# Altium PCB COOP4403_V2.PcbDoc (continued)
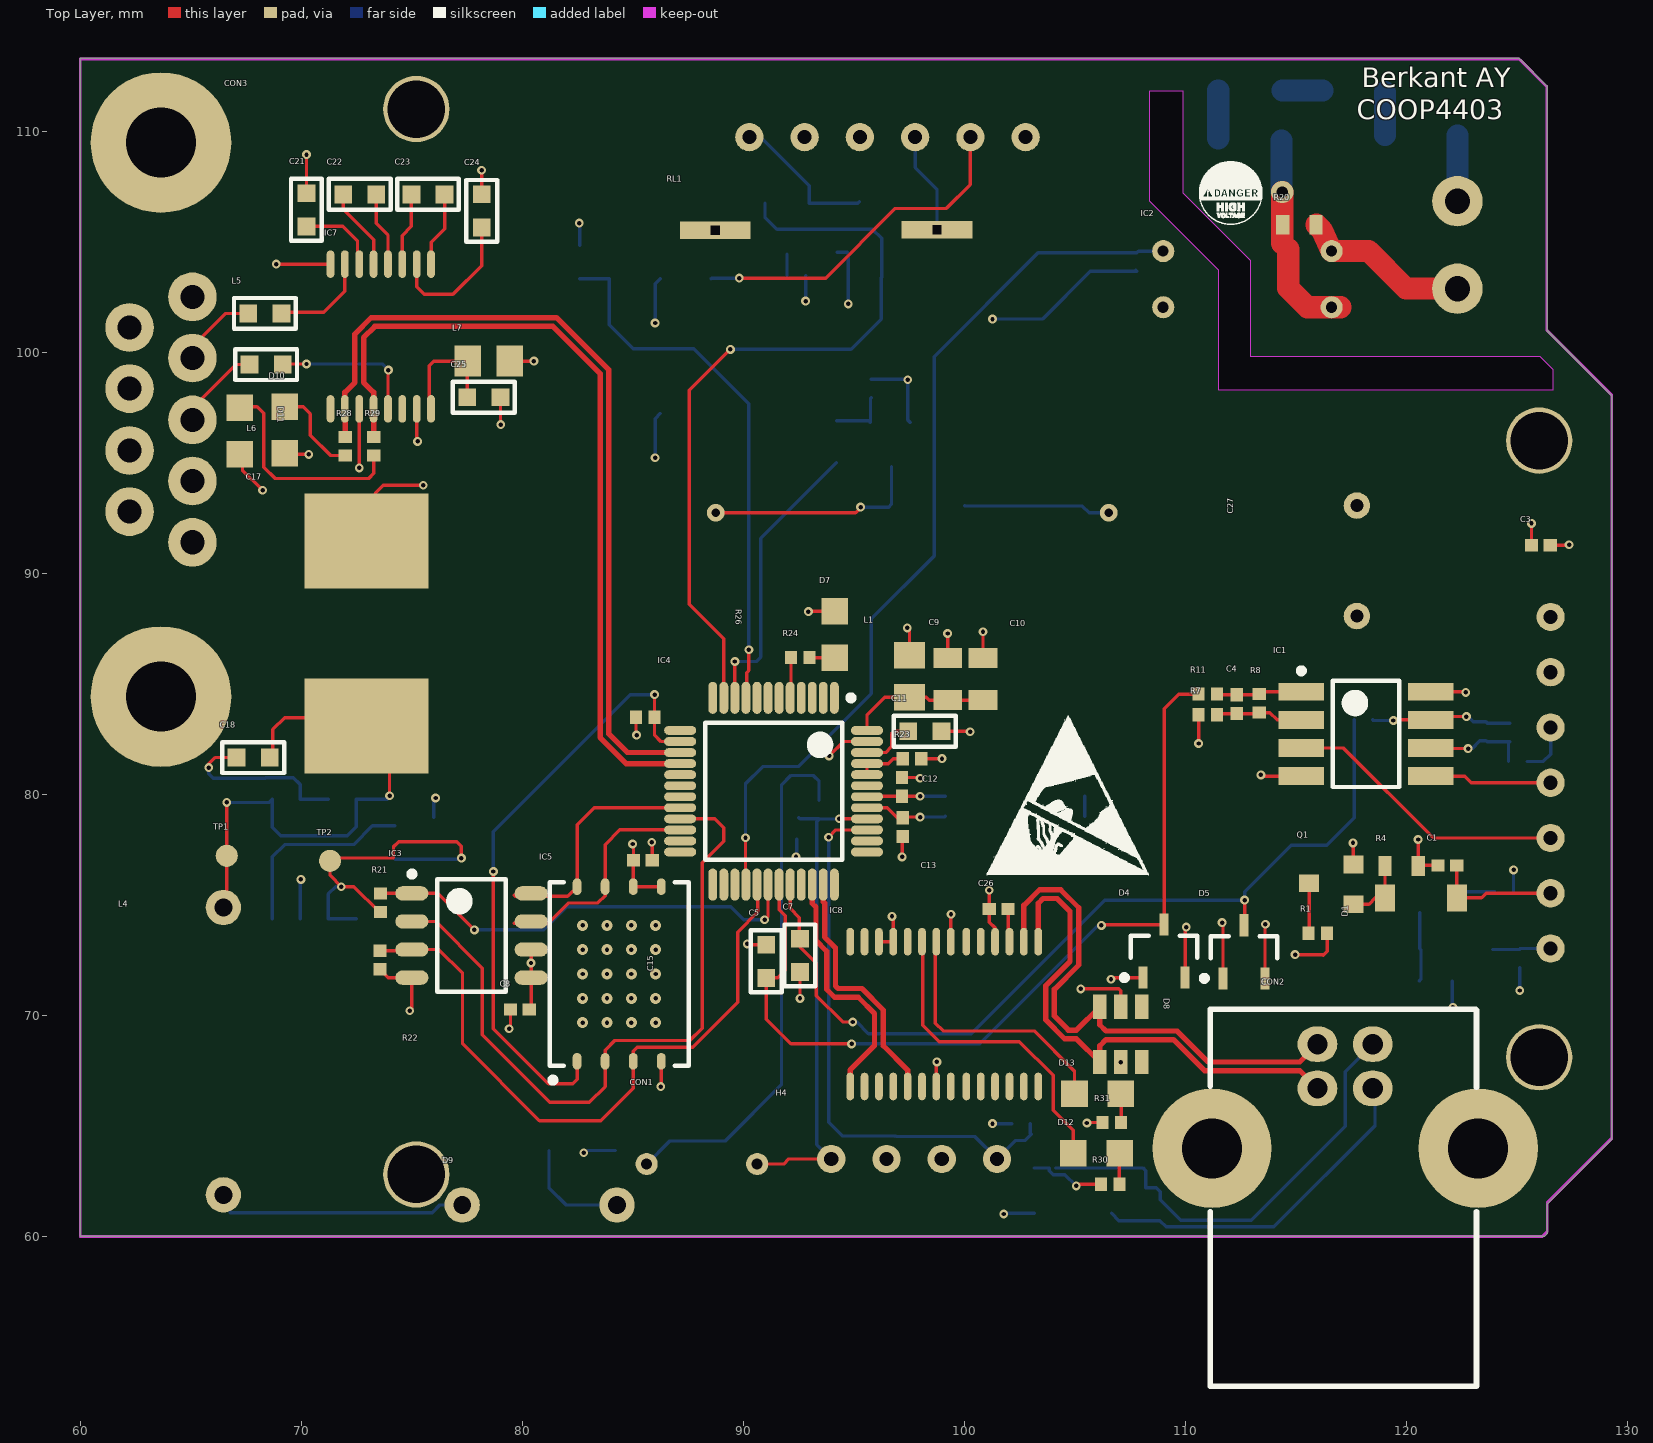
[diagram p0: Top Layer view]
## Footprints (in the part's own frame and the unit in brackets; to place one, negate y for a bottom-side part, rotate by r counter-clockwise, add the part's x,y. Pads: shape width x height; smd on the part's side, far side on the other; paste and mask are expansions set on the pad)
1N4007 [mm]
  round 1.6 hole 0.8: 1(0,0) 2(7,0)
  body extent -0.42,-1.31 7.38,1.31, height 3.31
"4DIP_OPTO - duplicate" [mm]
  round 1 hole 0.5: 1(0,0) 2(0,-2.54) 3(7.62,-2.54) 4(7.62,0)
  body extent -0.1,-3.57 7.78,1.03, height 4.3
0805LED_GREEN [mm]
  rect 1.2x1.2 smd: 1(0,0) 2(2.1,0)
  body extent 0.03,-0.6 2.05,0.65, height 1.1
"1110 Coil" [mm]
  round 1.6 hole 0.813: 1(0,0) 2(13,0)
  body extent -0.12,-6.7 12.88,6.3, height 7
ALUM-CAP [mm] "CAP ALUM 100uF 20% 35 Radial"
  round 1.2 hole 0.6: 1(0,0) 2(5,0)
  body extent -2.56,-5.03 7.49,5.03, height 13.03
BC846ALT [mm]
  rect 0.8x0.9 smd: 1(0,0) 2(1.8,0) 3(0.95,2)
  body extent -0.56,-0.18 2.44,2.32, height 1.05
C0402 [mm] "CL05B273K05NNNC 16V X7R"
  rect 0.6x0.55 smd: 1(-0.425,0) 2(0.425,0)
  body extent -0.53,-0.27 0.53,0.28, height 0.65
C0603 [mm]
  rect 0.8x0.8 smd: 1(-0.75,0) 2(0.75,0)
  silkscreen extent -1.4,-0.7 1.4,0.7, body extent -0.8,-0.42 0.8,0.44, height 0.95
C0805 [mm]
  rect 0.9x1.3 smd: 1(-0.95,0) 2(0.95,0)
  body extent -1,-0.6 1,0.6, height 1.5
CAP_SMT [mm]
  rect 4.3x5.6 smd: 1(-4.242,0.076) 2(4.14,0.076)
  body extent -5.45,-4.81 5.45,5.49, height 13.5
"CON HEADER 2PIN" [mm]
  round 2.28 hole 1.14: 1(0,0) 2(3.96,0)
  body extent -1.9,-3.87 5.96,4.63, height 2.7
"CON HEADER 4PIN" [mm]
  round 1.28 hole 0.64: 1(0,0) 2(2.5,0) 3(5,0) 4(7.5,0)
  body extent -2.39,-2.32 10.01,3.43, height 7
"CON HEADER 6PIN" [mm]
  round 1.28 hole 0.64: 1(0,0) 2(2.5,0) 3(5,0) 4(7.5,0) 5(10,0) 6(12.5,0)
  body extent -2.41,-3.51 14.99,2.24, height 3.4
"CON HEADER 7PIN" [mm]
  round 1.28 hole 0.64: 1(0,0) 2(2.5,0) 3(5,0) 4(7.5,0) 5(10,0) 6(12.5,0) 7(15,0)
  body extent -2.45,-3.4 17.45,2.35, height 2.4
CON_670688000 [mm] "CONN USB RT ANG RECPT TYPE B BLK"
  oval 1.8x1.6 hole 0.92: 1(7.27,4.71) 2(4.77,4.71) 3(4.77,2.71) 4(7.27,2.71)
  round 5.4 hole 2.71: 5(0,0) 6(12.04,0)
  silkscreen extent -0.08,-10.77 11.96,6.3, body extent -1.52,-10.49 13.38,6.01, height 10.7
DSUB [mm]
  round 2.2 hole 1.09: 1(-9.719,2.84) 2(-6.949,2.84) 3(-4.155,2.84) 4(-1.385,2.84) 5(1.385,2.84) 6(-8.334,0) 7(-5.564,0) 8(-2.77,0) 9(0,0)
  round 6.36 hole 3.18: 7(-16.699,1.42) 8(8.365,1.42)
  body extent -19.38,-14.35 11.51,3.99, height 12.55
FDN [mm]
  rect 0.76x0.76 smd: 1(0,0) 2(2,0) 3(1,2.29)
  body extent -0.51,-0.08 2.49,2.42, height 1.05
L0805 [mm]
  rect 1.2x1.4 smd: 1(0,0) 2(1.9,0)
L1608 [mm]
  rect 1.5x1.6 smd: 1(0,0) 2(3.5,0)
OZCJ [mm]
  rect 1x1.9 smd: 1(0,0) 2(3,0)
  body extent -0.05,-0.75 3.15,0.85, height 1
PUSHBUTTON [mm]
  round 1 hole 0.5: 1(0,0) 2(5,0)
  body extent -0.46,-3 5.54,3.2, height 4.3
QFN127P800X600X85_HS-9N [mm] "QFN, 8-Leads, Body 8.00x6.00mm, Pitch 1.27mm, Thermal Pad 5.20x4.80mm, IPC Medium Density"
  oval 0.75x0.4 smd: 1(-3.95,1.905) 2(-3.95,0.635) 3(-3.95,-0.635) 4(-3.95,-1.905) 5(3.95,-1.905) 6(3.95,-0.635) 7(3.95,0.635) 8(3.95,1.905)
  rect 5.2x4.8 on Plane1: 9(0,0)
  silkscreen extent -4.92,-3.15 4.15,3.15, body extent -4,-3 4,3, height 0.85
r0402 [mm]
  rect 0.55x0.6 smd: 1(0,0) 2(0.838,0)
  body extent -0.17,-0.25 0.98,0.3, height 0.41
R603 [mm]
  rect 0.6x0.9 smd: 1(0,0) 2(1.5,0)
  body extent -0.09,-0.4 1.51,0.4, height 0.45
R0805 [mm]
  rect 0.7x1.3 smd: 1(0,0) 2(1.9,0)
  body extent -0.08,-0.62 1.92,0.63, height 0.42
R1206 [mm]
  rect 0.9x1.6 smd: 1(0,0) 2(2.9,0)
  body extent -0.2,-0.81 3,0.79, height 0.53
realndt [mm]
  rect 0.95x1.9 smd: 1(0,0) 2(2.3,0) 3(4.6,0)
  rect 3.25x1.9 smd: 2(2.3,6.1)
"RELAY OMRON" [mm]
  round 0.8 hole 0.4: 1(17.78,0) 2(0,0)
  rect 3.2x0.8 hole 0.4 square: 3(7.772,-12.802) 4(17.805,-12.776)
  body extent -2.01,-14.43 19.99,1.57, height 11
sm4007 [mm]
  rect 0.91x1.22 smd: 1(0,0) 2(3.25,0)
SOIC127P600X170-8N [mm] "SOIC, 8-Leads, Body 4.90x3.90mm, Pitch 1.27mm, IPC Medium Density"
  oval 1.5x0.95 smd: 1(-2.7,1.905) 2(-2.7,0.635) 3(-2.7,-0.635) 4(-2.7,-1.905) 5(2.7,-1.905) 6(2.7,-0.635) 7(2.7,0.635) 8(2.7,1.905)
  silkscreen extent -2.82,-2.45 1.55,3.06, body extent -1.95,-2.45 1.95,2.45, height 1.7
SOP127P700X380-8N [mm] "SOP, 8-Leads, Body 4.80x3.80mm, Pitch 1.27mm, IPC Medium Density"
  rect 2.05x0.8 smd: 1(-2.925,1.905) 2(-2.925,0.635) 3(-2.925,-0.635) 4(-2.925,-1.905) 5(2.925,-1.905) 6(2.925,-0.635) 7(2.925,0.635) 8(2.925,1.905)
  silkscreen extent -3.05,-2.4 1.5,2.98, body extent -1.9,-2.4 1.9,2.4, height 3.8
SOT23 [mm]
  rect 1.1x0.6 smd: 1(0,0.95) 2(0,0) 3(0,-0.95) 4(2.5,-0.95) 5(2.5,0) 6(2.5,0.95)
  body extent -0.02,-1.4 2.41,1.4, height 1.09
SOT95P245X110-3N [mm] "SOT23, 3-Leads, Body 2.90x2.45mm, Pitch 0.95mm, IPC Medium Density"
  rect 0.4x1 smd: 1(-0.95,-2.394) 2(0.95,-2.394) 3(0,0.006)
  silkscreen extent -1.92,-2.52 1.5,-0.49, body extent -1.5,-1.89 1.5,-0.49, height 1.1
SSOP16 [mm]
  oval 1.25x0.35 smd: 1(0,0) 2(0,-0.65) 3(0,-1.3) 4(0,-1.95) 5(0,-2.6) 6(0,-3.25) 7(0,-3.9) 8(0,-4.55) 9(6.55,-4.55) 10(6.55,-3.9) 11(6.55,-3.25) 12(6.55,-2.6) 13(6.55,-1.95) 14(6.55,-1.3) 15(6.55,-0.65) 16(6.55,0)
SSOP28 [mm]
  oval 1.25x0.35 smd: 1(65.938,3.937) 2(65.938,3.287) 3(65.938,2.637) 4(65.938,1.987) 5(65.938,1.337) 6(65.938,0.687) 7(65.938,0.037) 8(65.938,-0.613) 9(65.938,-1.321) 10(65.938,-1.971) 11(65.938,-2.621) 12(65.938,-3.271) 13(65.938,-3.921) 14(65.938,-4.571) 15(72.488,-4.571) 16(72.488,-3.921) 17(72.488,-3.271) 18(72.488,-2.621) 19(72.488,-1.971) 20(72.488,-1.321) 21(72.488,-0.613) 22(72.488,0.037) 23(72.488,0.687) 24(72.488,1.337) 25(72.488,1.987) 26(72.488,2.637) 27(72.488,3.287) 28(72.488,3.937)
  body extent 65.31,-5.47 73.07,4.86, height 2.16
TestPoint [mm]
  round 1 smd: 1(0,0)
TSOP127P600X155-8N [mm] "TSOP, 8-Leads, Body 5.05x3.90mm, Pitch 1.27mm, IPC Medium Density"
  oval 1.5x0.65 smd: 1(-2.7,1.905) 2(-2.7,0.635) 3(-2.7,-0.635) 4(-2.7,-1.905) 5(2.7,-1.905) 6(2.7,-0.635) 7(2.7,0.635) 8(2.7,1.905)
  silkscreen extent -2.82,-2.55 1.55,2.9, body extent -1.95,-2.55 1.95,2.55, height 1.55
TSQFP50P900X900X160-48N [mm] "TSQFP, 48-Leads, Body 7.00x7.00mm, Pitch 0.50mm, IPC Medium Density"
  oval 1.45x0.4 smd: 1(-4.225,2.75) 2(-4.225,2.25) 3(-4.225,1.75) 4(-4.225,1.25) 5(-4.225,0.75) 6(-4.225,0.25) 7(-4.225,-0.25) 8(-4.225,-0.75) 9(-4.225,-1.25) 10(-4.225,-1.75) 11(-4.225,-2.25) 12(-4.225,-2.75) 25(4.225,-2.75) 26(4.225,-2.25) 27(4.225,-1.75) 28(4.225,-1.25) 29(4.225,-0.75) 30(4.225,-0.25) 31(4.225,0.25) 32(4.225,0.75) 33(4.225,1.25) 34(4.225,1.75) 35(4.225,2.25) 36(4.225,2.75)
  oval 0.4x1.45 smd: 13(-2.75,-4.225) 14(-2.25,-4.225) 15(-1.75,-4.225) 16(-1.25,-4.225) 17(-0.75,-4.225) 18(-0.25,-4.225) 19(0.25,-4.225) 20(0.75,-4.225) 21(1.25,-4.225) 22(1.75,-4.225) 23(2.25,-4.225) 24(2.75,-4.225) 37(2.75,4.225) 38(2.25,4.225) 39(1.75,4.225) 40(1.25,4.225) 41(0.75,4.225) 42(0.25,4.225) 43(-0.25,4.225) 44(-0.75,4.225) 45(-1.25,4.225) 46(-1.75,4.225) 47(-2.25,4.225) 48(-2.75,4.225)
  silkscreen extent -4.35,-3.1 3.1,3.63, body extent -3.5,-3.5 3.5,3.5, height 1.6
XTAL [mm]
  rect 1.2x0.6 smd: 1(0,-0.9) 2(6.3,-0.9) 3(6.3,0) 4(0,0)

## Part data
C1 C2: "CAP CER 0.027 UF 16V X7R"
C3 C4 C6: "CAP CER 220PF 50V C0G/NP0 0402"
C5 C7 C16: "CL10B104KB8NNNC"
C8 C15 C26: "CAP CER 0.1uF 16V X7R 0402 / SAMSUNG"
C9 C10 C20: "CAP CER 10uF 6.3V X7R 0805 / C0805C106K9RACTU"
C11 C25: "CAP CER 1uF 10V X7R 0603"
C12 C13: "CAP CER 6pF 100V C0G/NP0 0402 / KEMET"
C14: "CAP CER 1000pF 26V X7R 0402 / CL05B102KA5NNNC"
C17: "CAP ALUM 1000pF 20% 16V / UCL1C102MNL1GS"
C18 C21 C22 C23 C24: "CAP CER 0.1uF 16V X7R 0603 / CL10B104K08NNNC"
C19: "CAP CER 10000pF 25V 10% X7R 0603 / CL10B103KA8NNNC"
C27: "CAP ALUM 100uF 20% 35V Radial"
CON1: "SKPDACD010"
CON2: library part 670688000, "CONN USB RT ANG RECPT TYPE B BLK"
CON3: "1734354 - DSUB"
D1 D2 D3 D6 D9: "ONSEMI 1N4007"
D7: "LSR976"
D8: "TVS DIODE 5V 17.5V DIODE SOT23-6"
D10 D11 D12 D13: "LGR971-KN OSRAM"
H1: "B6B-XHA"
H2: "B7B-XHA"
H3: "B2P-VHLFSN"
H4: "B4B-XHALFSN"
IC3: "IC FRAM 64K SPI 20MHZ 8SOP"
IC4: "IC MCU 16BIT 32KB FLASH 48LQFP"
IC5: "IC FLASH 128M SPI 54MHZ 9VDFPN"
IC7: "IC TXRX RS232 ESD TRUE 16SSOP"
IC8: "IC USB FS SERIAL UART 28-SSOP"
L1 L7: "FERRITE BEAD 39 OHM"
L2 L3: "FERRITE BEAD 68 OHM 1206"
L4: "FIXED IND 47UH 2.8A 62MOHM TH"
L5 L6: "FERRITE BEAD 120OHM 2A"
Q1 Q2 Q5: "BJT TRANSISTOR NPN 65V 100MA"
Q3: "MOSFET SINGLE PCH TRENCH"
Q4: "N CHANNEL LOGIC LEVEL ENGANCEMENT MODE FIELD EFFECT TRANSISTOR"
Q6: "N CHANNEL LOGIC LEVEL ENHANCEMENET MODE FIELD EFFECT TRANSISTOR"
R1 R2 R3 R7 R8 R10 R11 R12 R13 R15 R16 R21 R22 R23 R24 R25 R26 R27 R28 R29 R30 R31: library part R0402, "RESISTOR"
R4 R5 R6 R14 R20: library part R0603, "CRCW06034R70FNEA"
R17 R18 R19: library part R1206, "ERJ-8ENF10R0V"
RL1: "RELAY GEN PURPOSES SPST 10A 5V"
X1: "SSP-T7-F"

## Free pads (board coordinates)
  round 3 hole 2.6: 1(75.2,62.8) 1(75.2,111) 1(126,68.1) 1(126,96)

## Via types
v1: diameter 0.4, hole 0.2, Top Layer to Bottom Layer, 92 vias
v2: diameter 0.5, hole 0.2, Top Layer to Bottom Layer, 20 vias
v3: diameter 1, hole 0.5, Top Layer to Bottom Layer, 1 vias

## Nets (pads, with @x,y where several pads share a name; then routed paths per layer and width w, separated by ;. In a path a pad name is that pad's centre, name@x,y a point inside that pad or via, vN(x,y) a via of type N, cw(c..) or ccw(c..) an arc to the next point about the centre after c; other vN are vias at no path point)
+3.3V: C8.2 C15.1 C19.1 C20.2 D4.1 D5.1 D10.2 D11.2 H2.6 H4.3 IC3.5 IC3.6 IC5.5 IC5.6 IC6.1 IC6.2 L1.2 L7.2 R1.2 R2.2 R16.2 R21.2 R25.2 R26.2 R27.1 TP2.1 | length 49.6
  Top Layer w0.152: D11.2 67.259,95.377 67.335,95.301 67.335,94.666 v1(68.25,93.751) ; D10.2 69.299,95.377 v1(70.333,95.377) ; R21.2 73.524,74.676 72.381,75.819 v1(71.806,75.819) 71.298,76.327 TP2.1 71.425,77.114 74.168,77.114 74.168,77.623 74.397,77.851 77.038,77.851 77.241,77.648 v1(77.241,77.114) ; L7.2 v1(80.518,99.593) ; C8.2 80.399,70.34 IC3.5 IC3.6 ; v1(84.988,77.749) 85.027,77.71 C15.1 85.014,76.999 IC5.6 IC5.5 ; R26.2 85.141,82.702 v1(85.166,82.677) ; v1(97.409,87.528) 97.511,87.427 L1.2 ; v1(106.629,71.628) 106.705,71.704 D4.1 ; v1(111.658,74.193) 111.699,74.153 D5.1 ; v1(114.96,72.746) 116.205,72.746 116.23,72.72 116.408,72.898 R1.2
  POWER w0.152: v1(68.25,93.751) 69.672,93.751 70.688,94.767 70.688,95.072 70.686,95.074 70.636,95.074 v1(70.333,95.377)
  Bottom Layer w0.152: v1(71.806,75.819) 71.552,75.819 71.222,75.489 IC6.2 IC6.1 ; C19.1 74.241,77.053 C20.2 77.18,77.053 v1(77.241,77.114) ; v1(92.38,77.165) 92.405,77.191 R25.2 ; v1(101.27,65.1) R27.1 ; v1(101.27,101.498) 103.53,101.498 105.69,103.658 R16.2 R16.2@107.747,103.708 ; R2.2 v1(124.841,76.581)
  other v1: 80.391,72.365
+5V: C3.1 C27.1 D8.5 F1.2 H1.6 H2.7 IC1.8 L2.2 R3.2 R30.2 R31.2 RL1.4 | length 11.8
  Top Layer w0.152: v1(105.054,62.281) 105.131,62.357 R30.2 ; v1(105.258,71.196) 106.985,71.196 107.071,71.11 D8.5 ; v1(105.537,65.126) 105.562,65.151 R31.2 ; IC1.8 122.657,84.633 v1(122.682,84.607) ; C3.1 127.33,91.262 v1(127.356,91.288)
  Bottom Layer w0.152: v1(82.779,63.779) 82.88,63.881 F1.2 ; v1(92.812,102.311) R3.2 ; L2.2 103.828,63.094 103.828,62.967 104.007,62.789 104.546,62.789 v1(105.054,62.281)
CS_FLASH: IC4.14 IC5.1 R26.1 | length 27.6
  Top Layer w0.152: v1(78.689,76.505) 78.689,69.393 81.178,66.904 82.271,66.904 82.474,67.107 IC5.1 ; v1(85.979,84.506) R26.1 85.979,82.677 86.269,82.387 IC4.14
  Bottom Layer w0.152: v1(78.689,76.505) 78.689,78.308 84.887,84.506 v1(85.979,84.506)
CS_FRAM: IC3.1 IC4.30 R21.1 | length 20.4
  Top Layer w0.152: R21.1 IC3.1 76.175,75.514 v1(77.826,73.863) ; v1(90.957,74.32) 91.114,74.477 IC4.30
  Bottom Layer w0.152: v1(77.826,73.863) 80.975,73.863 82.017,74.905 89.433,74.905 90.018,74.32 v1(90.957,74.32)
GND: C1.1 C2.1 C3.2 C5.1 C7.1 C8.1 C9.2 C10.2 C11.2 C12.1 C13.1 C15.2 C17.2 C18.1 C20.1 C21.1 C24.2 C25.1 C26.1 C27.2 CON2.5 CON2.6 CON3.5 CON3.7@63.65,109.484 CON3.8@63.65,84.42 D4.2 D5.2 D7.1 D8.2 H1.2 H1.3 H2.5 H4.2 IC1.4 IC2.2 IC3.4 IC4.47 IC5.4 IC6.3 IC6.6 IC6.7 IC7.8 IC7.11 IC7.15 IC8.7 IC8.18 IC8.21 IC8.25 IC8.26 L3.2 pad.1@75.2,62.8 pad.1@126,68.1 pad.1@126,96 Q1.2 Q2.2 Q4.2 Q5.2 Q6.2 R4.1 R5.1 R6.1 R7.2 R10.1 R13.1 R14.2 R22.1 R23.2 | length 81.7
  Top Layer w0.152: v1(65.811,81.204) 65.811,81.382 66.091,81.661 C18.1 ; v1(68.863,103.984) IC7.8 ; C21.1 v1(70.231,108.941) ; v1(72.619,94.767) IC7.11 ; C17.2 72.949,93.218 73.711,93.98 v1(75.514,93.98) ; R22.1 73.939,71.704 IC3.4 74.999,70.3 v1(74.905,70.206) v1@74.879,70.18 ; IC7.15 75.219,96.003 v1(75.26,95.961) ; C24.2 v1(78.156,108.229) ; C25.1 79.007,96.735 v1(79.019,96.723) ; v1(79.4,69.393) 79.465,69.457 C8.1 ; v1(85.852,77.826) 85.877,77.8 C15.2 ; v1(86.258,66.777) 86.284,66.802 IC5.4 ; v1(90.17,73.228) 90.207,73.191 C5.1 ; v1(92.558,70.764) C7.1 ; v1(92.939,88.265) 92.956,88.282 D7.1 ; v1(93.878,81.737) 94.528,82.387 IC4.47 ; IC8.26 IC8.25 96.779,74.417 v1(96.723,74.473) ; v1(97.18,77.165) 97.18,78.061 C13.1 ; C12.1 97.956,80.758 v1(97.993,80.721) ; R23.2 v1(98.984,81.61) ; IC8.7 98.729,67.868 v1(98.755,67.894) ; C11.2 100.228,82.855 v1(100.254,82.829) ; C9.2 v1(99.238,87.274) ; IC8.21 99.379,74.563 v1(99.39,74.574) ; C10.2 v1(100.838,87.351) ; v1(101.124,75.66) C26.1 101.124,74.212 101.386,73.95 IC8.18 IC8.18@101.422,73.294 ; D4.2 109.982,73.939 v1(110.033,73.99) ; v1(110.592,82.296) R7.2 ; v1(113.411,80.874) 113.462,80.823 IC1.4 ; D5.2 113.599,74.102 v1(113.614,74.117) ; v1(117.577,77.8) 117.595,77.781 Q1.2 ; v1(120.523,77.953) 120.524,77.951 R4.1 120.55,76.784 C1.1 ; C3.2 v1(125.654,92.253)
  Bottom Layer w0.152: v1(65.811,81.204) 65.811,80.924 66.015,80.721 68.362,80.721 68.39,80.75 69.644,80.75 69.952,80.442 IC6.6 IC6.7 ; IC6.3 69.952,76.124 v1(69.977,76.149) ; C20.1 75.997,79.756 v1(76.073,79.832) ; v1(82.575,105.842) 82.601,105.816 R14.2 ; v1(86.004,95.225) 86.004,96.999 Q6.2@86.233,97.227 ; v1(86.004,101.321) 86.004,103.099 Q6.2@86.233,103.327 ; Q4.2 94.695,104.517 94.741,104.472 R6.1 94.741,102.186 v1(94.742,102.184) ; R10.1 97.409,98.78 v1(97.434,98.755) 97.434,96.932 Q5.2 ; v1(101.778,61.011) 101.803,61.036 L3.2 ; v1(120.523,77.953) 120.523,76.523 Q2.2 ; R5.1 122.072,70.383 v1(122.098,70.358) ; v1(125.12,71.12) C2.1 ; R13.1 126.187,81.483 126.517,81.813 H2.5
  other v1: 107.071,67.883
NetC1_2: C1.2 D1.1 H2.2 | length 5.8
  Top Layer w0.152: C1.2 D1.1 D1.1 123.393,75.311 123.604,75.522 H2.2
NetC2_2: C2.2 D2.1 H2.1 | length 2.7
  Top Layer w0.152: H2.1 H2.1@126.622,73.022
  Bottom Layer w0.152: D2.1 125.102,72.974 C2.2 125.149,73.022 H2.1
NetC4_1: C4.1 IC1.1 R8.1 R11.2 | length 3.9
  Top Layer w0.152: R11.2 111.462,84.499 C4.1 113.303,84.499 R8.1 113.436,84.633 IC1.1
NetC4_2: C4.2 IC1.2 R7.1 R8.2 | length 4
  Top Layer w0.152: R7.1 111.487,83.649 C4.2 113.291,83.649 R8.2 113.817,83.693 114.148,83.363 IC1.2
NetC5_2: C5.2 D4.3 IC4.31 R11.1 | length 39.2
  Top Layer w0.152: IC4.31 91.614,74.782 91.897,74.498 91.897,72.034 91.554,71.691 C5.2 91.034,69.825 92.151,68.707 v1(94.894,68.707) ; v1(106.197,74.066) 106.235,74.104 D4.3 109.032,83.861 109.703,84.531 R11.1
  Bottom Layer w0.152: v1(94.894,68.707) 100.686,68.707 106.045,74.066 v1(106.197,74.066)
NetC6_1: C6.1 IC1.6 R12.2 R13.2 | length 4.7
  Top Layer w0.152: IC1.6 121.115,82.067 v1(122.784,82.067)
  Bottom Layer w0.152: v1(122.784,82.067) 122.961,82.067 123.317,82.423 C6.1 123.647,82.372 R12.2 124.612,82.321 R13.2
NetC6_2: C6.2 IC1.7 R12.1 R15.2 | length 6.4
  Top Layer w0.152: v1(119.405,83.337) 119.431,83.363 IC1.7 121.242,83.515 v1(122.707,83.515)
  Bottom Layer w0.152: R15.2 118.491,83.337 v1(119.405,83.337) ; v1(122.707,83.515) 122.784,83.515 123.026,83.273 C6.2 123.659,83.21 R12.1
NetC7_2: C7.2 D5.3 IC4.32 R15.1 | length 40.4
  Top Layer w0.152: IC4.32 92.114,74.84 92.532,74.422 92.532,73.127 93.294,72.365 93.294,70.891 94.488,69.698 v1(94.945,69.698) ; D5.3 112.674,74.098 v1(112.674,75.209)
  Bottom Layer w0.152: v1(94.945,69.698) 95.123,69.698 95.656,69.164 100.305,69.164 106.35,75.209 v1(112.674,75.209) 112.674,75.59 114.783,77.699 116.383,77.699 117.628,78.943 R15.1
NetC9_1: C9.1 C10.1 IC4.48 L1.1 | length 6.3
  Top Layer w0.152: IC4.48 95.589,83.575 96.398,84.384 L1.1 98.268,84.384 98.4,84.252 99.233,84.252 C9.1 C10.1
NetC11_1: C11.1 IC4.46 | length 2.6
  Top Layer w0.152: IC4.46 96.441,81.887 96.698,82.144 96.698,82.728 96.825,82.855 C11.1
NetC12_2: C12.2 IC4.42 X1.1 | length 3.6
  Top Layer w0.152: IC4.42 95.61,79.908 C12.2 v1(97.993,79.908)
  Bottom Layer w0.152: v1(97.993,79.908) X1.1@99.136,79.908
NetC13_2: C13.2 IC4.41 X1.4 | length 3.8
  Top Layer w0.152: IC4.41 96.508,79.387 96.959,78.936 C13.2 97.238,78.969 v1(97.993,78.969)
  Bottom Layer w0.152: v1(97.993,78.969) 99.096,78.969 X1.4@99.136,79.008
NetC14_2: C14.2 CON1.2 | length 24
  Bottom Layer w0.152: CON1.2 86.665,64.313 89.179,64.313 91.719,66.853 91.719,80.416 92.151,80.848 93.167,80.848 93.421,80.594 C14.2
NetC16_1: C16.1 CON2.4 L3.1 | length 15
  Bottom Layer w0.152: L3.1 106.986,60.705 C16.1 108.84,60.705 109.118,60.427 113.995,60.427 118.572,65.004 CON2.4@118.572,65.905
NetC16_2: C16.2 CON2.1 L2.1 | length 20.7
  Bottom Layer w0.152: 104.133,63.094 L2.1 108.077,63.094 108.204,62.967 C16.2 108.687,62.205 108.864,62.027 108.864,61.646 109.779,60.731 112.979,60.731 117.221,64.973 117.221,67.443 CON2.1
NetC17_1: C17.1 C18.2 IC6.5 IC6.8 L4.2 TP1.1 | length 24.7
  Top Layer w0.152: L4.2 66.624,75.032 TP1.1 v1(66.624,79.629) v1@66.624,79.654 ; C18.2 68.707,81.8 68.707,82.931 69.24,83.464 72.568,83.464 C17.1 73.99,82.042 v1(73.99,79.934)
  Bottom Layer w0.152: v1(66.624,79.629) 68.539,79.629 IC6.5 68.682,78.511 69.063,78.13 72.085,78.13 72.492,78.537 IC6.8 73.878,79.771 v1@74.041,79.934
NetC19_2: C19.2 IC6.4 | length 8.9
  Bottom Layer w0.152: IC6.4 68.682,77.165 69.24,77.724 72.365,77.724 73.216,78.576 C19.2
NetC21_2: C21.2 IC7.6 | length 3.7
  Top Layer w0.152: C21.2 71.882,105.689 72.542,105.029 72.542,104.061 IC7.6
NetC22_1: C22.1 IC7.4 | length 3.4
  Top Layer w0.152: C22.1 73.394,105.828 73.919,105.304 IC7.4
NetC22_2: C22.2 IC7.5 | length 3.7
  Top Layer w0.152: C22.2 71.894,106.465 73.269,105.09 IC7.5
NetC23_1: C23.1 IC7.1 | length 3.4
  Top Layer w0.152: IC7.1 75.869,104.977 76.479,105.588 C23.1
NetC23_2: C23.2 IC7.3 | length 3.3
  Top Layer w0.152: IC7.3 74.569,105.277 74.979,105.688 C23.2
NetC24_1: C24.1 IC7.2 | length 6.4
  Top Layer w0.152: IC7.2 75.219,102.962 75.565,102.616 76.86,102.616 78.156,103.911 C24.1
NetC25_2: C25.2 IC7.16 L7.1 | length 5.5
  Top Layer w0.152: IC7.16@75.921,97.486 IC7.16 75.794,97.509 75.794,99.39 75.997,99.593 L7.1 77.507,99.575 C25.2
NetC26_2: C26.2 IC8.17 | length 1.5
  Top Layer w0.152: C26.2 101.974,73.392 IC8.17
NetCON3_2: CON3.2 L5.1 | length 3.1
  Top Layer w0.152: CON3.2@65.126,100.306 66.572,101.752 L5.1
NetCON3_3: CON3.3 L6.1 | length 4.1
  Top Layer w0.152: 65.632,98.019 65.126,97.512 65.126,97.536 67.031,99.441 L6.1
NetD1_2: D1.2 Q1.1 R4.2 | length 3
  Top Layer w0.152: Q1.1 118.303,75.021 118.593,75.311 D1.2 R4.2
NetD2_2: D2.2 Q2.1 R5.2 | length 3.1
  Bottom Layer w0.152: R5.2 120.651,71.631 D2.2 120.606,73.02 Q2.1
NetD3_1: D3.1 Q5.3 RL1.1 | length 9.8
  Top Layer w0.152: RL1.1 95.072,92.735 v1@95.326,92.989
  Bottom Layer w0.152: v1(95.301,92.989) 96.57,92.989 96.698,93.118 Q5.3
NetD3_2: D3.2 RL1.2 | length 6.7
  Bottom Layer w0.152: D3.2 100.025,93.04 105.334,93.04 105.639,92.735 RL1.2
NetD6_1: D6.1 H3.1 | length 3
  Bottom Layer w0.152: D6.1 D6.1@122.301,109.804
  Bottom Layer w1: H3.1 D6.1@122.301,109.804
NetD6_2: D6.2 R19.2 | length 2
  Bottom Layer w0.152: R19.2@119.026,111.761 R19.2
  Bottom Layer w1: D6.2 R19.2@119.026,111.761
NetD7_2: D7.2 R24.1 | length 1.1
  Top Layer w0.152: R24.1 D7.2
NetD9_1: D9.1 F1.1 | length 5.1
  Bottom Layer w0.152: F1.1 81.201,62.202 81.986,61.417 D9.1 D9.1@84.303,61.443
NetD9_2: D9.2 L4.1 | length 11.6
  Bottom Layer w0.152: L4.1 66.786,61.565 66.786,61.071 75.916,61.071 76.262,61.417 D9.2
NetD10_1: D10.1 R28.1 | length 4.2
  Top Layer w0.152: D10.1 70.079,97.536 70.409,97.206 70.409,96.241 71.323,95.326 R28.1
NetD11_1: D11.1 R29.1 | length 9.4
  Top Layer w0.152: D11.1@67.539,97.536 67.996,97.536 68.301,97.231 68.301,94.793 68.809,94.285 73.05,94.285 73.279,94.513 R29.1
NetD12_2: D12.2 R30.1 | length 1.4
  Top Layer w0.152: R30.1 107.01,63.737 D12.2
NetD13_2: D13.2 R31.1 | length 1.3
  Top Layer w0.152: D13.2 107.086,66.438 R31.1
NetH1_1: H1.1 Q3.2 Q4.3 | length 6.7
  Bottom Layer w0.152: H1.1 90.78,109.728 92.973,107.534 Q3.2 95.178,106.735 Q4.3
NetH1_4: H1.4 RL1.3 | length 4.6
  Bottom Layer w0.152: H1.4 97.768,108.353 98.755,107.366 RL1.3
NetH1_5: H1.5 Q6.3 | length 15.6
  Top Layer w0.152: v1(89.814,103.353) 93.726,103.353 96.876,106.502 99.187,106.502 100.268,107.584 H1.5
  Bottom Layer w0.152: Q6.3 88.558,103.353 v1(89.814,103.353)
NetH2_3: H2.3 IC1.3 | length 13
  Top Layer w0.152: IC1.3 117.145,82.093 121.216,78.022 H2.3
NetH2_4: H2.4 IC1.5 | length 5.6
  Top Layer w0.152: IC1.5 122.631,80.823 122.932,80.522 H2.4
NetH3_2: H3.2 IC2.4 R20.1 | length 7.8
  Top Layer w1: R20.1@115.926,105.766 116.18,105.512 IC2.4 118.288,104.572 119.987,102.872 H3.2
NetIC2_1: IC2.1 IC4.28 R16.1 | length 41.1
  Top Layer w0.152: v1(90.094,78.029) 90.094,75.932 IC4.28
  Bottom Layer w0.152: v1(90.094,78.029) 90.094,80.467 90.881,81.255 92.481,81.255 95.783,84.557 95.783,87.935 98.628,90.78 98.628,99.797 103.327,104.496 R16.1 107.874,104.572 IC2.1 IC2.1@109.398,104.572
NetIC2_3: IC2.3 R17.1 R20.2 | length 9.5
  Top Layer w1: v3(114.376,107.239) 114.376,104.927 114.646,104.657 114.646,102.905 115.519,102.032 IC2.3 IC2.3@117.018,102.032
  Bottom Layer w0.152: v3@114.351,107.264 v3(114.376,107.239)
  Bottom Layer w1: v3@114.351,107.264 R17.1
NetIC4_5: IC4.5 R24.2 | length 1.8
  Top Layer w0.152: IC4.5 92.151,84.399 R24.2
NetIC4_9: IC4.9 Q6.1 R14.1 | length 24.6
  Top Layer w0.152: IC4.9 90.145,84.393 90.145,85.496 90.246,85.598 v1(90.246,86.538)
  Bottom Layer w0.152: R14.1 83.932,103.326 Q6.1 83.933,101.233 85.014,100.152 87.757,100.152 90.246,97.663 v1(90.246,86.538)
NetIC4_10: IC4.10 R9.1 | length 13.1
  Top Layer w0.152: v1(89.611,86.004) 89.611,84.365 IC4.10
  Bottom Layer w0.152: v1(89.611,86.004) 90.576,86.004 90.78,86.208 90.78,91.572 R9.1
NetIC4_11: IC4.11 Q3.1 Q4.1 R6.2 | length 34.5
  Top Layer w0.152: IC4.11 89.114,87.035 87.554,88.595 87.554,98.273 v1(89.408,100.127)
  Bottom Layer w0.152: v1(89.408,100.127) 94.869,100.127 96.241,101.498 R6.2 96.25,103.387 Q4.1 96.25,105.147 95.834,105.562 91.516,105.562 90.973,106.105 Q3.1
NetIC4_37: IC4.37
NetIC4_38: IC4.38
NetIC4_44: IC4.44 IC4.45 R23.1 | length 2.2
  Top Layer w0.152: IC4.44 IC4.45 96.551,81.387 96.774,81.61 R23.1
NetIC7_7: IC7.7 L5.2 | length 4.5
  Top Layer w0.152: L5.2 69.152,101.803 71.018,101.803 71.969,102.753 IC7.7
NetIC7_13: IC7.13 L6.2 | length 6.8
  Top Layer w0.152: L6.2 69.178,99.466 v1(70.231,99.466) ; IC7.13@73.838,97.515 IC7.13 73.919,99.166 v1(73.939,99.187)
  Bottom Layer w0.152: v1(70.231,99.466) 73.66,99.466 v1(73.939,99.187)
NetQ1_3: Q1.3 R1.1 | length 2.3
  Top Layer w0.152: R1.1 115.595,73.736 Q1.3
NetQ2_3: Q2.3 R2.1 | length 1.4
  Bottom Layer w0.152: Q2.3 R2.1
NetQ3_3: Q3.3 R3.1 | length 1
  Bottom Layer w0.152: R3.1 Q3.3
NetQ5_1: Q5.1 R9.2 R10.2 | length 2.7
  Bottom Layer w0.152: R9.2 95.665,96.901 Q5.1 95.748,97.907 R10.2
NetR17_2: R17.2 R18.1 | length 2.3
  Bottom Layer w0.152: R17.2@111.481,109.677 R17.2@111.582,109.576
  Bottom Layer w1: R17.2@111.481,109.677 R18.1
NetR18_2: R18.2 R19.1 | length 1.8
  Bottom Layer w1: R18.2 R19.1
NetX1_2: X1.2 X1.3 | length 0.9
  Bottom Layer w0.152: X1.3@105.436,79.008 X1.2@105.436,79.908
RESET: C14.1 CON1.1 H4.4 IC4.40 R25.1 | length 22.3
  Top Layer w0.152: CON1.1 91.821,63.271 92.05,63.5 H4.4 ; v1(94.336,78.892) 95.583,78.892 IC4.40
  Bottom Layer w0.152: R25.1@92.507,78.943 92.558,78.892 C14.1@93.421,78.892 ; C14.1 C14.1@93.435,78.881 ; H4.4 93.32,64.153 93.32,78.765 C14.1@93.435,78.881 ; v1(94.336,78.892) 94.324,78.881 C14.1@93.435,78.881
RXD_A_N: IC4.15 IC7.10 R28.2 | length 37.7
  Top Layer w0.241: R28.2 71.984,97.419 IC7.10 71.969,98.18 72.422,98.633 72.422,100.823 73.16,101.562 81.545,101.562 83.909,99.198 83.909,82.728 84.75,81.887 IC4.15
RXD_A_P: IC4.16 IC7.12 R29.2 | length 37.1
  Top Layer w0.241: R29.2 73.279,97.424 IC7.12 73.269,98.18 72.815,98.633 72.815,100.66 73.323,101.168 81.382,101.168 83.515,99.035 83.515,82.565 84.693,81.387 IC4.16
RXLED: D13.1 IC8.22 | length 11.9
  Top Layer w0.152: IC8.22 98.679,73.28 98.679,69.647 99.035,69.291 103.149,69.291 104.978,67.462 D13.1
SCK: IC3.7 IC4.22 IC5.7 | length 10.6
  Top Layer w0.152: 79.629,74.168 81.178,74.168 82.093,75.082 83.414,75.082 83.744,75.413 IC5.7 83.744,77.724 84.407,78.387 IC4.22
SI: IC3.2 IC4.21 IC5.2 | length 32.3
  Top Layer w0.152: IC3.2 76.073,74.244 78.181,72.136 78.181,69.113 81.229,66.065 83.033,66.065 83.744,66.777 IC5.2 83.744,68.428 84.176,68.859 87.579,68.859 88.138,69.418 88.138,76.911 89.103,77.876 89.103,78.486 88.702,78.887 IC4.21
SO: IC3.8 IC4.20 IC5.8 | length 10.8
  Top Layer w0.152: 79.629,75.438 79.68,75.387 82.042,75.387 IC5.8 82.474,78.613 83.248,79.387 IC4.20
TOOL0: H4.1 IC4.39 R27.2 | length 25.6
  Top Layer w0.152: v1(93.853,78.054) 94.183,78.384 95.586,78.384 IC4.39
  Bottom Layer w0.152: v1(93.853,78.054) 93.853,65.151 94.463,64.541 96.876,64.541 96.901,64.516 100.457,64.516 H4.1 102.311,64.338 102.743,64.338 103.022,64.618 102.972,64.668 R27.2
TXLED: D12.1 IC8.23 | length 14.5
  Top Layer w0.152: IC8.23 98.12,73.288 98.12,69.545 98.857,68.809 102.489,68.809 104.013,67.285 104.013,65.71 104.927,64.795 D12.1
USB_A_N: CON2.2 D8.6 IC8.16 | length 24.6
  Top Layer w0.241: IC8.16 102.686,74.973 103.393,75.679 104.354,75.679 105.169,74.864 105.169,72.276 104.064,71.171 104.064,69.965 104.699,69.33 105.068,69.33 D8.6 106.121,69.571 106.401,69.291 109.622,69.291 111.023,67.889 115.168,67.889 CON2.2
USB_A_P: CON2.3 D8.1 IC8.15 | length 23.7
  Top Layer w0.241: IC8.15 103.336,75.066 103.556,75.286 104.191,75.286 104.775,74.701 104.775,72.439 103.67,71.334 103.67,69.802 104.536,68.937 105.068,68.937 D8.1 106.121,68.618 106.401,68.897 109.459,68.897 110.86,67.496 115.168,67.496 CON2.3
USB_B_N: IC4.34 IC8.1 | length 11.4
  Top Layer w0.241: IC4.34 93.114,75.066 93.281,74.899 93.281,73.379 93.77,72.89 93.77,71.166 94.122,70.815 95.195,70.815 95.932,70.079 95.932,68.629 94.829,67.525 IC8.1
USB_B_P: IC4.35 IC8.5 | length 11.3
  Top Layer w0.241: IC4.35 93.614,75.123 93.675,75.062 93.675,73.542 94.164,73.053 94.164,71.33 94.285,71.209 95.358,71.209 96.325,70.242 96.325,68.629 97.429,67.525 IC8.5
"WRITE PROJECT": IC3.3 IC4.29 IC5.3 R22.2 | length 30.2
  Top Layer w0.152: R22.2 74.948,72.923 IC3.3 76.225,72.974 77.292,71.907 77.292,68.707 80.772,65.227 83.541,65.227 85.014,66.7 IC5.3 85.014,68.377 85.192,68.555 87.705,68.555 89.738,70.587 89.738,73.762 90.653,74.676 90.653,75.873 IC4.29
pads on no net: CON3.1 CON3.4 CON3.6 CON3.7@62.23,98.349 CON3.8@62.23,95.555 CON3.9 D8.3 D8.4 IC4.1 IC4.2 IC4.3 IC4.4 IC4.6 IC4.7 IC4.8 IC4.12 IC4.13 IC4.17 IC4.18 IC4.19 IC4.23 IC4.24 IC4.25 IC4.26 IC4.27 IC4.33 IC4.36 IC4.43 IC5.9 IC7.9 IC7.14 IC8.2 IC8.3 IC8.4 IC8.6 IC8.8 IC8.9 IC8.10 IC8.11 IC8.12 IC8.13 IC8.14 IC8.19 IC8.20 IC8.24 IC8.27 IC8.28
copper on no net:
  other v2: 82.729,69.669 83.829,69.669 84.929,69.669 86.029,69.669 82.729,70.769 83.829,70.769 84.929,70.769 86.029,70.769 82.729,71.869 83.829,71.869 84.929,71.869 86.029,71.869 82.729,72.969 83.829,72.969 84.929,72.969 86.029,72.969 82.729,74.069 83.829,74.069 84.929,74.069 86.029,74.069

## Polygon pours and split planes (outlines as drawn)
+3.3V on POWER "+3.3V" (solid, remove dead copper, pour order 62): 115.875,73.203 115.9,73.177 115.9,72.441 115.849,72.441 114.503,71.095 107.391,71.095 106.223,69.926 106.223,67.081 104.115,64.973 101.879,64.973 102.184,65.278 102.184,66.218 101.803,66.599 101.803,73.228 115.824,73.228 115.875,73.177
+3.3V on POWER "+3.3V" (solid, remove dead copper, pour order 68): 125.349,75.641 126.721,77.013 127.889,77.013 128.676,77.8 128.676,84.099 125.374,84.099 124.823,84.651 123.495,83.323 123.495,75.667 123.52,75.641
+3.3V on POWER "+3.3V" (solid, remove dead copper, pour order 64): 112.7,73.254 112.7,74.295 111.887,75.108 110.719,75.108 110.033,74.422 110.033,73.228 112.649,73.228 112.674,73.254
+3.3V on POWER "+3V" (solid, remove dead copper, pour order 6): 107.813,112.42 107.813,104.877 107.899,104.877 108.331,104.445 108.128,104.242 108.128,96.799 111.125,93.802 127.381,93.802 128.702,92.481 128.702,83.922 128.676,83.947 125.095,83.947 124.511,84.531 124.511,86.69 124.562,86.69 124.866,86.995 124.892,86.97 127.838,86.97 127.838,91.338 127.432,91.745 111.227,91.745 106.909,96.063 106.909,112.42
NetH3_2 on POWER "HIGH_VOLTAGE" (solid, remove dead copper, pour order 2): 110.871,112.014 110.871,108.128 113.436,105.562 113.411,105.537 113.411,100.203 125.679,100.203 125.679,109.804 123.469,112.014
+3.3V on POWER "+3.3V" (solid, remove dead copper, pour order 80): 66.446,86.817 67.539,85.725 67.539,71.272 70.51,68.301 81.178,68.301 81.636,68.758 83.591,66.802 94.64,66.802 95.682,65.761 95.682,63.043 96.139,62.586 97.307,62.586 97.892,63.17 97.892,64.338 98.476,64.922 101.829,64.922 102.184,65.278 102.184,66.218 101.803,66.599 101.803,83.49 103.048,84.734 103.048,91.186 100.94,93.294 100.94,100.305 101.651,101.016 101.651,102.514 101.498,102.667 98.831,102.667 93.142,96.977 88.316,96.977 80.823,104.47 80.899,104.546 80.899,110.439 81.559,111.1 107.163,111.1 107.163,112.42 66.167,112.42 67.132,111.455 67.132,108.534 67.132,104.572 66.421,103.861 66.421,96.47 66.446,93.294
+5V on POWER "+5V" (solid, remove dead copper, pour order 82): 122.276,83.617 122.301,83.591 124.308,85.598 124.308,87.249 127.508,87.249 127.889,87.63 127.889,91.44 127.584,91.745 126.06,91.745 126.01,90.195 112.395,90.195 106.451,96.139 106.451,110.414 106.604,110.566 106.451,110.719 101.549,110.719 80.848,110.719 80.848,97.079 93.32,97.079 94.056,97.815 98.831,102.591 100.94,102.591 100.94,93.294 101.803,92.431 101.803,73.254 115.9,73.254 115.9,72.492 114.63,71.222 107.671,71.222 106.223,69.774 106.223,66.421 104.546,64.745 104.546,64.541 101.625,64.541 96.799,64.541 93.701,61.443 92.685,62.459 92.685,63.729 91.11,65.303 84.328,65.303 82.906,66.726 79.883,66.726 78.918,65.761 78.791,65.761 78.791,60.503 115.291,60.503 119.634,64.846 119.634,80.086 119.685,80.137 119.685,80.086 119.736,80.137 122.276,80.137
GND on GND (split plane): 125.855,111.803 125.855,100.965 125.864,100.865 125.893,100.77 125.941,100.681 126.004,100.604 128.776,97.833 128.776,64.6 126.004,61.829 125.941,61.752 125.893,61.663 125.864,61.568 125.855,61.468 125.855,60.51 60.51,60.51 60.51,112.79 124.868,112.79

## Keep-outs
Top Layer:
  lines w0.127: 59.995,59.995 59.995,113.259 125.095,113.259 125.171,113.182 126.34,112.014 126.34,101.016 129.286,98.069 129.286,64.44 126.365,61.519 126.365,60.223 126.136,59.995 59.995,59.995
Keep-Out Layer:
  lines w0.127: 59.995,59.995 59.995,113.259 125.095,113.259 126.34,112.014 126.34,101.016 129.286,98.069 129.286,64.44 126.365,61.519 126.365,60.223 126.136,59.995 59.995,59.995

## Other copper
POWER:
  rectangle net +5V: 125.679,90.068 126.035,90.195
  rectangle net +5V: 125.086,89.459 125.984,90.068
  pour cut-out: 125.969,90.145 126.008,90.145 126.009,90.175
  pour cut-out: 117.221,85.268 117.272,85.217 119.685,85.217 119.685,85.268

## Silkscreen, mask and mechanical layers (free items; w line width, h text height)
Top Overlay:
  drawing of 1727 lines, arcs and shapes, not listed
  text "Berkant AY" at 117.983,111.684 h1.52
  text "COOP4403" at 117.754,110.236 h1.52
Bottom Overlay:
  text "Berkant AY" at 73.406,111.608 h1.52
  text "COOP4403" at 73.66,110.439 h1.52